# Altium PCB main.PcbDoc (part 2 of 3) (continued)
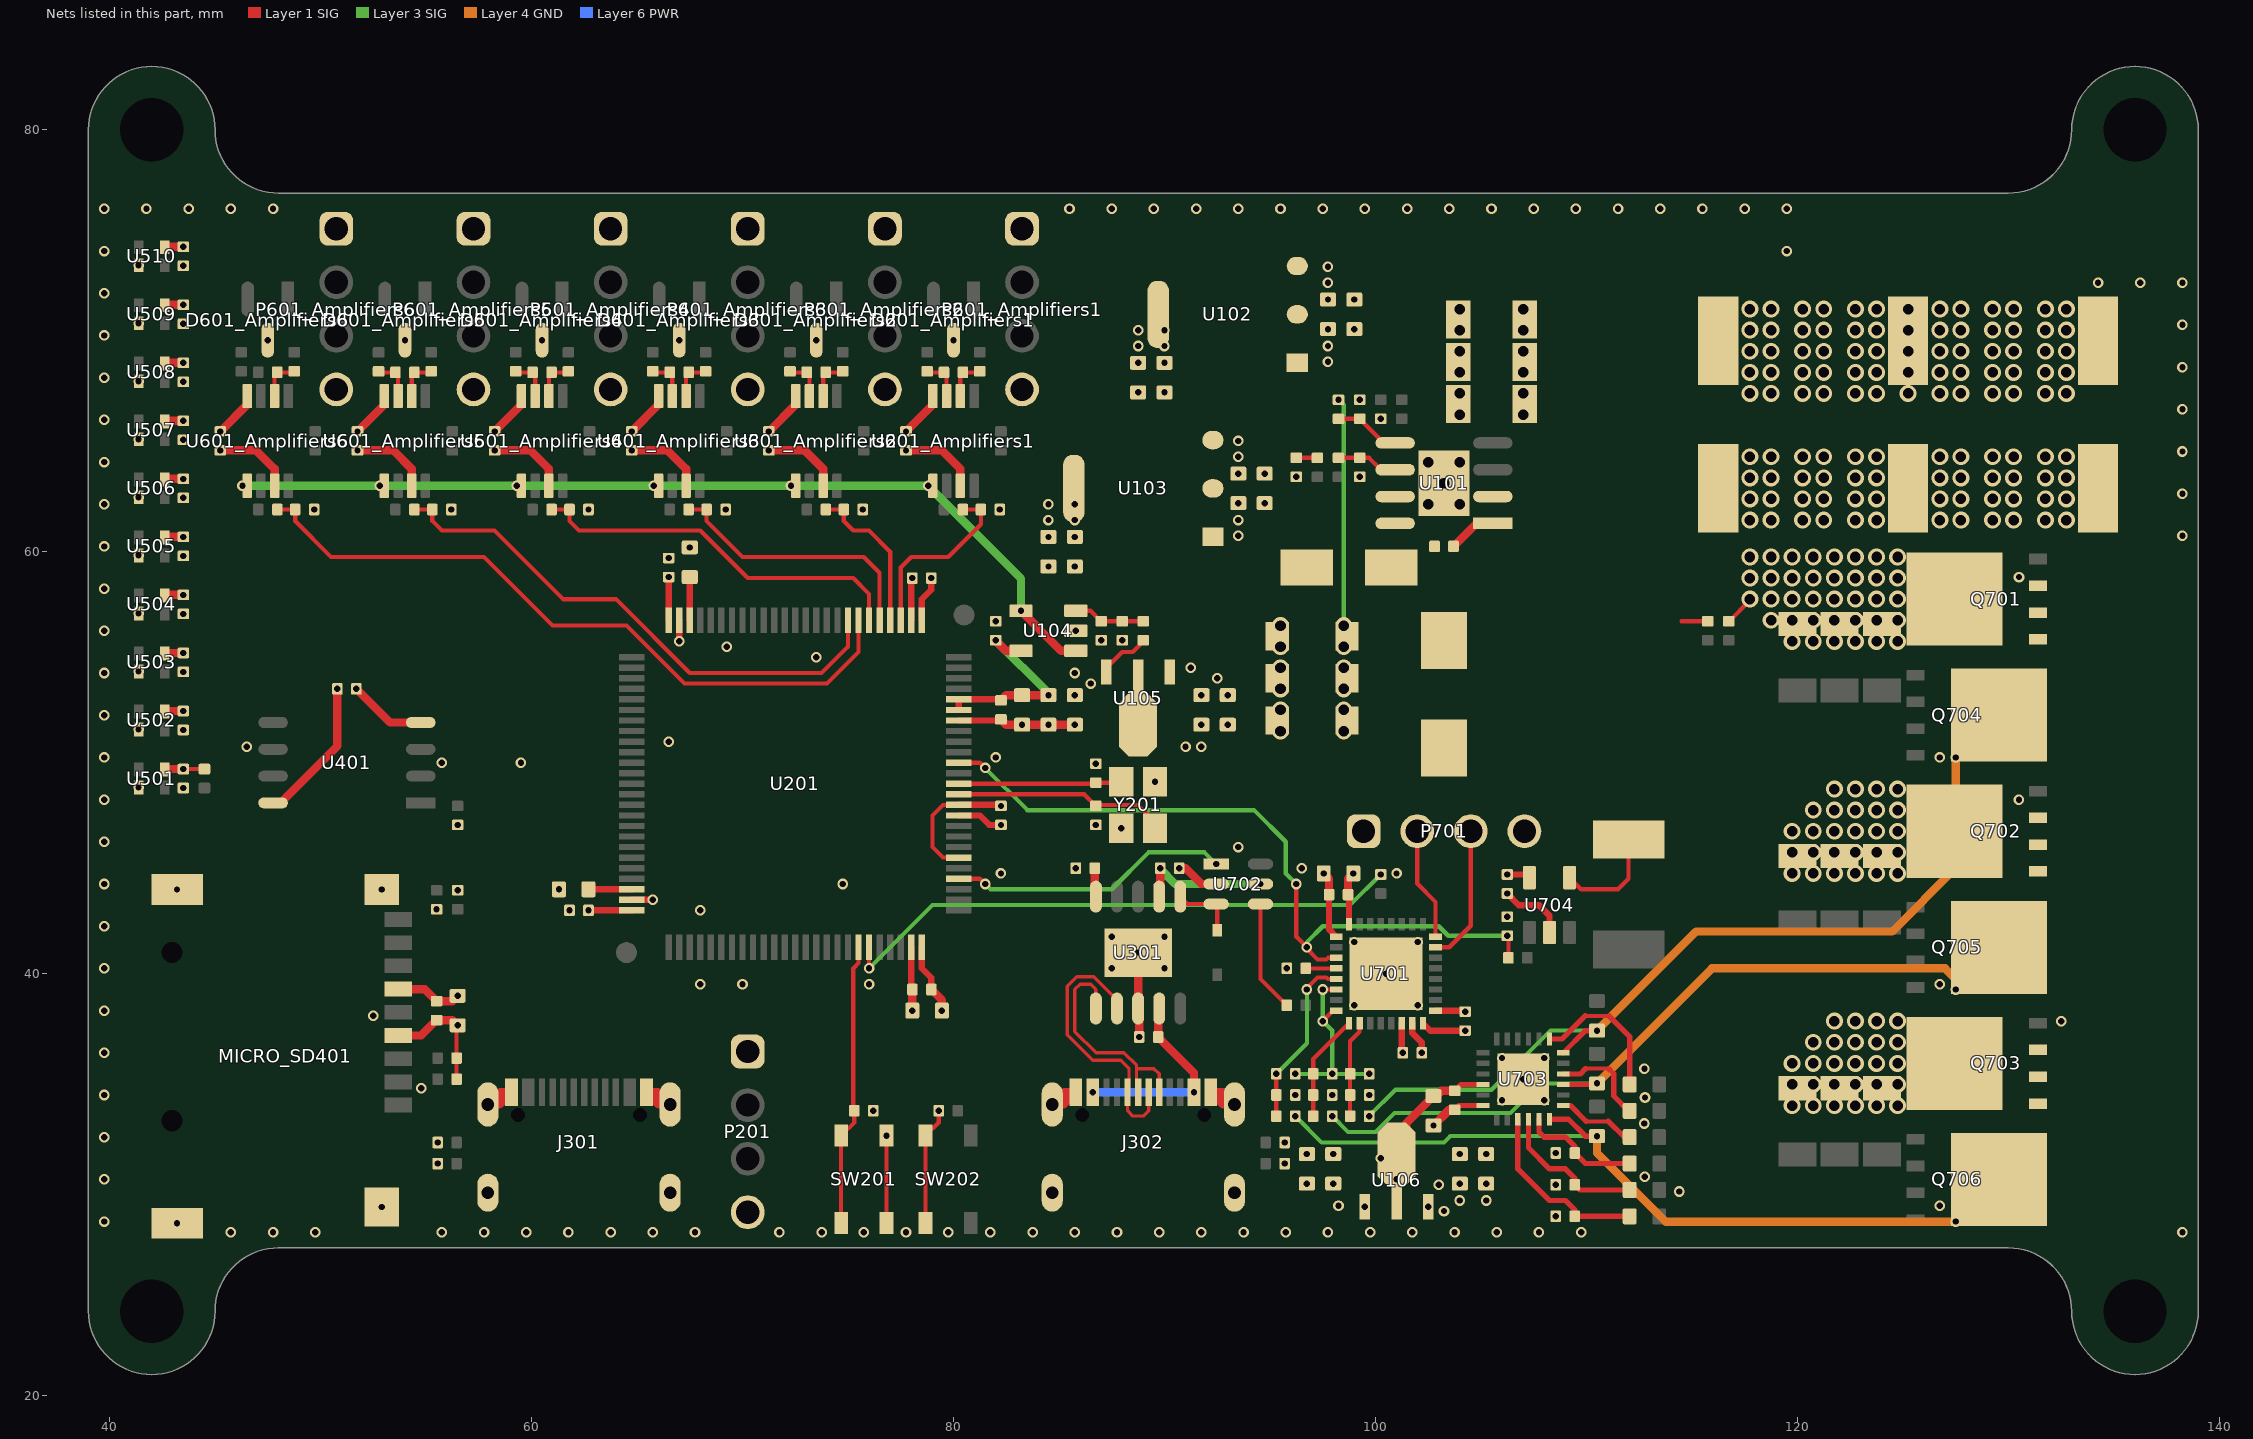
[diagram p6: the nets of this part, all layers, seen from the top]
## Part data (continued)
U703: "No Description Available", Mfr_Name="Texas Instruments", RefDes=RefDes, TYPE=TYPE
U704: library part CMP-04895-000287-1, "IC CURR SENSE 1 CIRCUIT SOT23-5", Case/Package=SOT-23-5, Input Bias Current=100nA, Input Offset Voltage (Vos)=100uV, Max Operating Temperature=125°C, Min Operating Temperature=-40°C, Operating Supply Current=260uA, -3db Bandwidth=350kHz, Mount="Surface Mount", Number of Circuits=1, Packaging="Tape and Reel", RoHS Compliant=Yes, Slew Rate=2V/µs
Y201: library part CMP-36405-000019-1, "CRYSTAL 25.0000MHZ 18PF SMD", Case/Package=SMD/SMT, ESR (Equivalent Series Resistance)=40R, Frequency=25MHz, Frequency Stability=10ppm, Load Capacitance=18pF, Max Operating Temperature=85°C, Min Operating Temperature=-20°C, Depth=2.5mm, Length=3.2mm, Number of Pins=4, Packaging="Tape and Reel"

## Free pads (board coordinates)
  round 1 / inner round 0 / far side round 0 all layers, no hole paste-2539.97 mask+0.25: FID(64.5,41) FID(80.5,57)
  round 0 hole 3 unplated paste-2539.97 mask+0.2: FID5(136,24) FID5(136,80) FID6(42,24) FID6(42,80)

## Via types
v1: diameter 0.5, hole 0.3, Layer 1 SIG to Layer 6 PWR, tented both sides, 388 vias
v2: diameter 0.8, hole 0.5, Layer 1 SIG to Layer 6 PWR, tented both sides, 233 vias

## Nets (pads, with @x,y where several pads share a name; then routed paths per layer and width w, separated by ;. In a path a pad name is that pad's centre, name@x,y a point inside that pad or via, vN(x,y) a via of type N, cw(c..) or ccw(c..) an arc to the next point about the centre after c; other vN are vias at no path point)
"+1.65 REF": U104.1 U104.4 U601_Amplifiers1.5 U601_Amplifiers2.5 U601_Amplifiers3.5 U601_Amplifiers4.5 U601_Amplifiers5.5 U601_Amplifiers6.5 | length 43.6
  Layer 1 SIG w0.4: v1(83.2,57.2) 85.1,55.3 U104.1@85.8,55.3
  Layer 3 SIG w0.4: v1(46.3,63.125) v1(78.8,63.125) 83.2,58.725 v1(83.2,57.2)
  other v1: 52.8,63.125 59.3,63.125 65.8,63.125 72.3,63.125
"+3.3 A": C118.1 C122.1 C123.1 C209.1 C210.1 C601_Amplifiers1.1 C601_Amplifiers2.1 C601_Amplifiers3.1 C601_Amplifiers4.1 C601_Amplifiers5.1 C601_Amplifiers6.1 P601_Amplifiers1.4 P601_Amplifiers2.4 P601_Amplifiers3.4 P601_Amplifiers4.4 P601_Amplifiers5.4 P601_Amplifiers6.4 R107.1 U104.5 U105.3 U201.20 U201.21 U601_Amplifiers1.7 U601_Amplifiers2.7 U601_Amplifiers3.7 U601_Amplifiers4.7 U601_Amplifiers5.7 U601_Amplifiers6.7 | length 34.9
  Layer 1 SIG w0.2: U105.3@87.25,54.3 87.25,54.5 88,55.25 88.5,55.25 89,55.75 R107.1@89,55.8
  Layer 1 SIG w0.3: U201.20@80.25,52.5 U201.21@80.25,53 82.2,53 C210.1@82.25,52.95
  Layer 1 SIG w0.4: v1(45.25,64.8) 46.95,64.8 47.825,63.925 U601_Amplifiers6.7@47.825,63.125 ; v1(51.75,64.8) 53.45,64.8 54.325,63.925 U601_Amplifiers5.7@54.325,63.125 ; v1(58.25,64.8) 59.95,64.8 60.825,63.925 U601_Amplifiers4.7@60.825,63.125 ; v1(64.75,64.8) 66.45,64.8 67.325,63.925 U601_Amplifiers3.7@67.325,63.125 ; v1(71.25,64.8) 72.95,64.8 73.825,63.925 U601_Amplifiers2.7@73.825,63.125 ; v1(77.75,64.8) 79.45,64.8 80.325,63.925 U601_Amplifiers1.7@80.325,63.125 ; v1(82,55.8) 82.5,55.3 U104.5@83.2,55.3 ; C210.1@82.25,52.95 82.5,53.2 C209.1@83.25,53.2 v1(84.5,53.2)
  Layer 3 SIG w0.4: v1(82,55.8) 84.5,53.3 v1(84.5,53.2)
  other v1: 85.75,53.2 86.5,53.75 85.75,54.25
"+3.3 D": C116.1 C117.1 C201.1 C202.1 C203.1 C204.1 C205.1 C206.1 C302.1 C401.1 C402.1 C403.1 MICRO_SD401.4 P201.4 R401.1 R402.1 R403.1 R404.1 R405.1 SW201.1 SW201.2 U103.2 U103.4 U201.6 U201.11 U201.27 U201.50 U201.75 U201.100 U301.7 U401.8 U702.5 | length 39.7
  Layer 1 SIG w0.2: R405.1@56.45,35 R402.1@56.45,36 56.45,37.5 v1(56.5,37.55) ; SW201.2@76.825,28.175 v1(76.825,32.325) ; U201.6@80.25,45.5 79.5,45.5 79,46 79,47.5 79.5,48 U201.11@80.25,48
  Layer 1 SIG w0.3: v1(62.7,43) U201.75@64.75,43 ; U201.50@66.5,56.75 v1(66.5,58.8) ; U201.27@78,56.75 78,58.7 v1(78.05,58.75) ; U201.100@78.5,41.25 78.5,40.25 78.95,39.8 C206.1@78.95,39.25 ; U201.11@80.25,48 82.2,48 v1(82.25,47.95)
  Layer 1 SIG w0.4: U401.8@47.3,48.095 U401.8@47.75,48.095 48.095,48.095 50.8,50.8 v1(50.8,53.5) ; MICRO_SD401.4@53.674,37.07 54.77,37.07 C402.1@55.5,37.8 56.25,37.8 v1(56.5,37.55) ; C206.1@78.95,39.25 79.45,38.75 v1(79.45,38.25) ; U301.7@89.75,43.65 89.8,43.7 v1(89.8,45)
  Layer 3 SIG w0.4: v1(89.8,45) 89.8,44.95 90.5,44.25 v1(94.55,44.25)
  other v1: 55.5,43.05 56.5,43.95 56.5,47.05 84.5,60.7 85.75,60.7 84.5,61.5 85.75,61.5 84.5,62.25 85.75,62.25
"+3.3 ESC": C126.1 C127.1 C701.1 C702.1 C703.1 C704.1 C721.1 P701.4 U106.3 U701.1 U701.15 U701.17 U704.5 | length 7.4
  Layer 1 SIG w0.3: C702.1@97.8,43.75 97.8,42.1 U701.1@98.15,41.75 ; U701.15@101.75,37.65 101.75,37.19 102.2,36.74 v1(102.2,36.25) ; U701.17@102.85,38.25 104.2,38.25 v1(104.25,38.2) ; v1(106.25,44.7) 107.15,44.7 U704.5@107.3,44.55
  Layer 1 SIG w0.4: v1(97.55,44.75) 97.8,44.5 C702.1@97.8,43.75
  other v1: 103.25,28.75 102.5,28.95 104,29.25 105.25,29.25 103,30 104,30.05 105.25,30.05
+5: C112.1 C113.1 C501.1 C502.1 C503.1 C504.1 C505.1 C506.1 C507.1 C508.1 C509.1 C510.1 R501.1 U102.2 U102.4 U501.2 U502.2 U503.2 U504.2 U505.2 U506.2 U507.2 U508.2 U509.2 U510.2 | length 9.9
  Layer 1 SIG w0.2: v1(43.5,49.7) R501.1@44.5,49.7
  Layer 1 SIG w0.4: U501.2@42.625,49.675 42.65,49.7 v1(43.5,49.7) ; U502.2@42.625,52.425 42.65,52.45 C502.1@43.5,52.45 ; U503.2@42.625,55.175 42.65,55.2 v1(43.5,55.2) ; U504.2@42.625,57.925 42.65,57.95 v1(43.5,57.95) ; U505.2@42.625,60.675 42.65,60.7 C505.1@43.5,60.7 ; U506.2@42.625,63.425 42.65,63.45 v1(43.5,63.45) ; U507.2@42.625,66.175 42.65,66.2 v1(43.5,66.2) ; U508.2@42.625,68.925 42.65,68.95 v1(43.5,68.95) ; U509.2@42.625,71.675 42.65,71.7 v1(43.5,71.7) ; U510.2@42.625,74.425 42.65,74.45 v1(43.5,74.45)
  other v1: 43.5,52.45 43.5,60.7 88.75,68.95 90,68.95 88.75,69.75 90,69.75 88.75,70.5 90,70.5
"+5 USB": C301.1 J302.A4B9 J302.B4A9 U301.4 | length 9.5
  Layer 1 SIG w0.4: U301.4@89.75,38.35 89.7,38.3 C301.1@89.7,37 91.4,35.3 v1(91.4,34.379)
  Layer 6 PWR w0.4: v1(86.6,34.379) v1(91.4,34.379)
"+9 BUCK": C105.1 C106.1 C107.1 C110.1 C111.1 C114.1 C115.1 C120.1 C121.1 C124.1 C125.1 C718.1 C719.1 L101.2 R101.1 U102.3 U103.3 U105.2 U106.2 U703.4 | length 16.9
  Layer 1 SIG w0.25: C718.1@102.75,34.2 C718.1@102.88,34.2 ; C719.1@103.75,34.45 104.05,34.75 U703.4@105.1,34.75
  Layer 1 SIG w0.4: U106.2@101,31.45 101.45,31.9 101.45,32.9 C718.1@102.75,34.2 ; C718.1@102.88,34.2 103.13,34.45 C719.1@103.75,34.45
  Layer 3 SIG w0.2: v1(98.25,67.2) 98.5,66.95 v2(98.5,56.5)
  other v1: 101,30.25 100.25,31.25 96.75,31.45 98,31.45 91,50.75 91.75,50.75 91.75,51.8 93,51.8 93.5,63.7 94.75,63.7 93.5,64.5 93.5,65.25 97.75,71.95 99,71.95 97.75,72.75 97.75,73.5
  other v2: 98.5,51.5 98.5,52.5 98.5,53.5 98.5,54.5 98.5,55.5
+BATT: C102.2 C103.2 C104.2 C706.2 C707.2 C708.2 C709.2 C710.2 C711.2 C712.2 C713.2 C714.2 C715.1 C716.1 C717.1 Q701.5-6-7-8 Q702.5-6-7-8 Q703.5-6-7-8 R707.2 U101.2 | length 1.5
  Layer 1 SIG w0.2: R707.2@116.75,56.7 117.75,57.7 v2(117.75,57.75)
  other v2: 119.75,33.75 120.75,33.75 121.75,33.75 122.75,33.75 123.75,33.75 124.75,33.75 119.75,34.75 120.75,34.75 121.75,34.75 122.75,34.75 123.75,34.75 124.75,34.75 119.75,35.75 120.75,35.75 121.75,35.75 122.75,35.75 123.75,35.75 124.75,35.75 120.75,36.75 121.75,36.75 122.75,36.75 123.75,36.75 124.75,36.75 121.75,37.75 122.75,37.75 123.75,37.75 124.75,37.75 119.75,44.75 120.75,44.75 121.75,44.75 122.75,44.75 123.75,44.75 124.75,44.75 119.75,45.75 120.75,45.75 121.75,45.75 122.75,45.75 123.75,45.75 124.75,45.75 119.75,46.75 120.75,46.75 121.75,46.75 122.75,46.75 123.75,46.75 124.75,46.75 120.75,47.75 121.75,47.75 122.75,47.75 123.75,47.75 124.75,47.75 121.75,48.75 122.75,48.75 123.75,48.75 124.75,48.75 119.75,55.75 120.75,55.75 121.75,55.75 122.75,55.75 123.75,55.75 124.75,55.75 118.75,56.75 119.75,56.75 120.75,56.75 121.75,56.75 122.75,56.75 123.75,56.75 124.75,56.75 118.75,57.75 119.75,57.75 120.75,57.75 121.75,57.75 122.75,57.75 123.75,57.75 124.75,57.75 117.75,58.75 118.75,58.75 119.75,58.75 120.75,58.75 121.75,58.75 122.75,58.75 123.75,58.75 124.75,58.75 117.75,59.75 118.75,59.75 119.75,59.75 120.75,59.75 121.75,59.75 122.75,59.75 123.75,59.75 124.75,59.75 117.75,61.5 118.75,61.5 120.25,61.5 121.25,61.5 122.75,61.5 123.75,61.5 126.75,61.5 127.75,61.5 129.25,61.5 130.25,61.5 131.75,61.5 132.75,61.5 117.75,62.5 118.75,62.5 120.25,62.5 121.25,62.5 122.75,62.5 123.75,62.5 126.75,62.5 127.75,62.5 129.25,62.5 130.25,62.5 131.75,62.5 132.75,62.5 117.75,63.5 118.75,63.5 120.25,63.5 121.25,63.5 122.75,63.5 123.75,63.5 126.75,63.5 127.75,63.5 129.25,63.5 130.25,63.5 131.75,63.5 132.75,63.5 117.75,64.5 118.75,64.5 120.25,64.5 121.25,64.5 122.75,64.5 123.75,64.5 126.75,64.5 127.75,64.5 129.25,64.5 130.25,64.5 131.75,64.5 132.75,64.5 107,66.5 107,67.5 107,68.5 107,69.5 107,70.5 107,71.5
AMP_OUT_Amplifiers1: C603_Amplifiers1.1 R603_Amplifiers1.2 U201.28 | length 8.7
  Layer 1 SIG w0.2: U201.28@77.5,56.75 77.5,59.25 78,59.75 79.75,59.75 81.3,61.3 C603_Amplifiers1.1@81.3,62 R603_Amplifiers1.2@80.45,62
AMP_OUT_Amplifiers2: C603_Amplifiers2.1 R603_Amplifiers2.2 U201.29 | length 7.5
  Layer 1 SIG w0.2: R603_Amplifiers2.2@73.95,62 C603_Amplifiers2.1@74.8,62 74.8,61.45 75.25,61 76,61 77,60 U201.29@77,56.75
AMP_OUT_Amplifiers3: C603_Amplifiers3.1 R603_Amplifiers3.2 U201.30 | length 12.9
  Layer 1 SIG w0.2: R603_Amplifiers3.2@67.45,62 C603_Amplifiers3.1@68.3,62 68.3,61.45 70,59.75 75.75,59.75 76.5,59 U201.30@76.5,56.75
AMP_OUT_Amplifiers4: C603_Amplifiers4.1 R603_Amplifiers4.2 U201.31 | length 18.3
  Layer 1 SIG w0.2: R603_Amplifiers4.2@60.95,62 C603_Amplifiers4.1@61.8,62 61.8,61.45 62.25,61 68,61 70.25,58.75 75.25,58.75 76,58 U201.31@76,56.75
AMP_OUT_Amplifiers5: C603_Amplifiers5.1 R603_Amplifiers5.2 U201.33 | length 25.9
  Layer 1 SIG w0.2: R603_Amplifiers5.2@54.45,62 C603_Amplifiers5.1@55.3,62 55.3,61.45 55.75,61 58.25,61 61.5,57.75 64,57.75 67.5,54.25 73.75,54.25 75,55.5 U201.33@75,56.75
AMP_OUT_Amplifiers6: C603_Amplifiers6.1 R603_Amplifiers6.2 U201.32 | length 33.4
  Layer 1 SIG w0.2: R603_Amplifiers6.2@47.95,62 C603_Amplifiers6.1@48.8,62 48.8,61.45 50.5,59.75 57.75,59.75 61,56.5 64.5,56.5 67.25,53.75 74,53.75 75.5,55.25 U201.32@75.5,56.75
BEMF_A: R703.2 R704.1 R713.1 U701.10 | length 4.6
  Layer 1 SIG w0.2: R704.1@98.8,33.25 R713.1@98.8,34.25 R703.2@98.8,35.25 98.8,36.8 99.25,37.25 U701.10@99.25,37.65
BEMF_B: R705.2 R706.1 R712.1 U701.9 | length 5.1
  Layer 1 SIG w0.2: R706.1@97.05,33.25 R712.1@97.05,34.25 R705.2@97.05,35.25 97.05,35.95 U701.9@98.75,37.65
BEMF_C: R708.2 R709.1 R711.1 U701.5 | length 8.3
  Layer 1 SIG w0.2: R709.1@95.3,33.25 R711.1@95.3,34.25 v1(95.3,35.25) ; v1(96.75,39.25) 96.75,39.321 97.252,39.823 97.673,39.823 97.746,39.75 U701.5@98.15,39.75
  Layer 3 SIG w0.2: v1(95.3,35.25) 96.75,36.7 v1(96.75,39.25)
BEMF_COM: R703.1 R705.1 R708.1 U701.6 U701.8 | length 9.2
  Layer 1 SIG w0.2: v1(97.5,37.75) 98,38.25 U701.8@98.15,38.25 ; v1(97.5,39.25) U701.6@98.15,39.25
  Layer 3 SIG w0.2: v1(96.2,35.25) v1(97.95,35.25) ; v1(97.5,39.25) v1(97.5,37.75) 97.95,37.3 v1(97.95,35.25) ; v1(99.7,35.25) v1(97.95,35.25)
BOOT0: R201.1 SW201.3 SW201.4 U201.94 | length 13.5
  Layer 1 SIG w0.2: SW201.4@74.675,28.175 SW201.3@74.675,32.325 75.3,32.95 R201.1@75.3,33.5 75.25,33.55 75.25,40.25 75.5,40.5 U201.94@75.5,41.25
BUCK_COMP: C108.1 R102.1 U101.6 | length 2.9
  Layer 1 SIG w0.2: R102.1@98.25,64.45 C108.1@99.25,64.45 99.703,64.45 100.268,63.885 U101.6@100.934,63.885
BUCK_FB: R101.2 R104.1 U101.5 | length 3.2
  Layer 1 SIG w0.2: R101.2@98.25,66.3 R104.1@99.25,66.3 100.395,65.155 U101.5@100.934,65.155
BUCK_PH: C101.1 D101.1 L101.1 U101.8
ESC_CFG: D301.1 U301.6 U702.3 | length 3.1
  Layer 1 SIG w0.2: U301.6@90.75,43.65 91.1,43.3 U702.3@92.45,43.3 92.5,43.25 D301.1@92.5,42.055
ESC_NRST: C705.1 U701.4 | length 1.5
  Layer 1 SIG w0.2: C705.1@96.7,40.25 U701.4@98.15,40.25
ESC_SIG: U201.4 U702.1 | length 13.4
  Layer 1 SIG w0.2: U201.4@80.25,44.5 81.25,44.5 v1(81.5,44.25)
  Layer 3 SIG w0.2: v1(81.5,44.25) 81.75,44 87.5,44 89.25,45.75 91.9,45.75 v1(92.45,45.2)
ESC_SIG_IN: R702.1 U702.4 | length 5.3
  Layer 1 SIG w0.2: U702.4@94.55,43.3 94.55,39.75 R702.1@95.8,38.5
ESC_SWCLK: P701.2 U701.24 | length 5.4
  Layer 1 SIG w0.2: P701.2@101.98,46.75 101.98,44.27 102.85,43.4 U701.24@102.85,41.75
ESC_SWDIO: P701.3 U701.23 | length 6.6
  Layer 1 SIG w0.2: U701.23@102.85,41.25 103.5,41.25 104.52,42.27 P701.3@104.52,46.75
ESC_TELEM: R701.2 U201.95 | length 27.1
  Layer 1 SIG w0.2: v1(76,40.25) U201.95@76,41.25
  Layer 3 SIG w0.2: v1(76,40.25) 79,43.25 98.8,43.25 v1(100.25,44.7)
GHA: R714.1 U703.19 | length 6.9
  Layer 1 SIG w0.2: 109.94,38 111.065,38
  Layer 1 SIG w0.25: U703.19@108.25,36.9 108.84,36.9 109.94,38 ; 111.065,38 112.05,37.015 R714.1@112.05,34.75
GHB: R715.1 U703.16 | length 4.7
  Layer 1 SIG w0.2: 109.963,35.5 111.05,35.5
  Layer 1 SIG w0.25: U703.16@108.9,35.25 109.713,35.25 109.963,35.5 ; 111.05,35.5 111.295,35.255 111.295,34.205 112,33.5 R715.1@112.05,33.5
GHC: R716.1 U703.13 | length 3.8
  Layer 1 SIG w0.2: 109.993,33 111.041,33
  Layer 1 SIG w0.25: U703.13@108.9,33.75 109.243,33.75 109.993,33 ; 111.041,33 111.791,32.25 R716.1@112.05,32.25
GLA: R717.1 R720.1 U703.11 | length 5.7
  Layer 1 SIG w0.25: U703.11@107.75,33.1 107.75,32.75 107.75,32.5 108,32.25 109,32.25 109.45,31.8 R720.1@109.45,31.5 109.95,31 R717.1@112.05,31
GLB: R718.1 R721.1 U703.10 | length 7.2
  Layer 1 SIG w0.25: U703.10@107.25,33.1 107.25,31.75 108.25,30.75 109,30.75 109.45,30.3 R721.1@109.45,30 109.7,29.75 R718.1@112.05,29.75
GLC: R719.1 R722.1 U703.9 | length 8.8
  Layer 1 SIG w0.25: U703.9@106.75,33.1 106.75,30.75 108.25,29.25 109,29.25 109.45,28.8 R722.1@109.45,28.5 R719.1@112.05,28.5
GND: C102.1 C103.1 C104.1 C105.2 C106.2 C107.2 C108.2 C109.2 C110.2 C111.2 C112.2 C113.2 C114.2 C115.2 C116.2 C117.2 C118.2 C119.2 C120.2 C121.2 C122.2 C123.2 C124.2 C125.2 C126.2 C127.2 C201.2 C202.2 C203.2 C204.2 C205.2 C206.2 C207.2 C208.2 C209.2 C210.2 C211.2 C212.2 C213.2 C301.2 C302.2 C303.2 C401.2 C402.2 C403.2 C501.2 C502.2 C503.2 C504.2 C505.2 C506.2 C507.2 C508.2 C509.2 C510.2 C601_Amplifiers1.2 C601_Amplifiers2.2 C601_Amplifiers3.2 C601_Amplifiers4.2 C601_Amplifiers5.2 C601_Amplifiers6.2 C603_Amplifiers1.2 C603_Amplifiers2.2 C603_Amplifiers3.2 C603_Amplifiers4.2 C603_Amplifiers5.2 C603_Amplifiers6.2 C701.2 C702.2 C703.2 C704.2 C705.2 C715.2 C716.2 C717.2 C718.2 C719.2 C721.2 C724.2 D101.2 D601_Amplifiers1.3 D601_Amplifiers2.3 D601_Amplifiers3.3 D601_Amplifiers4.3 D601_Amplifiers5.3 D601_Amplifiers6.3 J301.1 J301.2 J301.3 J301.4 J301.A1B12 J301.B1A12 J302.1 J302.2 J302.3 J302.4 J302.A1B12 J302.B1A12 MICRO_SD401.6 MICRO_SD401.MP1 MICRO_SD401.MP2 MICRO_SD401.MP3 MICRO_SD401.MP4 P201.1 P601_Amplifiers1.1 P601_Amplifiers2.1 P601_Amplifiers3.1 P601_Amplifiers4.1 P601_Amplifiers5.1 P601_Amplifiers6.1 P701.1 R104.2 R106.1 R108.2 R201.2 R301.2 R302.2 R303.2 R304.2 R710.2 R711.2 R712.2 R713.2 R720.2 R721.2 R722.2 R724.2 SW202.3 SW202.4 U101.7 U101.9 U102.1 U103.1 U104.2 U105.1 U106.1 U201.10 U201.19 U201.26 U201.49 U201.74 U201.99 U301.3 U301.11 U401.4 U501.3 U502.3 U503.3 U504.3 U505.3 U506.3 U507.3 U508.3 U509.3 U510.3 U601_Amplifiers1.4 U601_Amplifiers2.4 U601_Amplifiers3.4 U601_Amplifiers4.4 U601_Amplifiers5.4 U601_Amplifiers6.4 U701.14 U701.16 U701.32 U701.33 U702.2 U703.6 U703.25 U704.2 U704.4 Y201.2 Y201.4 | length 76.5
  Layer 1 SIG w0.2: SW202.4@78.675,28.175 SW202.3@78.675,32.325 79.3,32.95 v1(79.3,33.5) ; U704.4@109.2,44.55 109.75,44 111.5,44 112,44.5 R724.2@112,46.35 ; 114.5,56.7 R710.2@115.75,56.7
  Layer 1 SIG w0.25: C719.2@103.75,33.55 103.95,33.75 U703.6@105.1,33.75
  Layer 1 SIG w0.3: U201.74@64.75,43.5 v1(65.75,43.5) ; v1(67,55.75) U201.49@67,56.75 ; U201.99@78,41.25 78,39.3 C206.2@78.05,39.25 ; U201.26@78.5,56.75 78.5,57.75 78.95,58.2 v1(78.95,58.75) ; U201.10@80.25,47.5 81.25,47.5 81.7,47.05 v1(82.25,47.05) ; U201.19@80.25,52 82.2,52 C210.2@82.25,52.05 ; C702.2@98.7,43.75 98.75,43.7 U701.32@98.75,42.35 ; U701.14@101.25,37.65 101.25,36.3 v1(101.3,36.25) ; U701.16@102.25,37.65 102.6,37.3 v1(104.25,37.3) ; v1(106.25,43.8) 106.8,43.25 107.75,43.25 108.25,42.75 U704.2@108.25,41.95
  Layer 1 SIG w0.4: v1(45.25,65.7) 46.525,66.975 U601_Amplifiers6.4@46.525,67.375 ; v1(51.7,53.5) 53.295,51.905 U401.4@55.2,51.905 ; v1(51.75,65.7) 53.025,66.975 U601_Amplifiers5.4@53.025,67.375 ; MICRO_SD401.6@53.674,39.27 54.93,39.27 C402.2@55.5,38.7 56.25,38.7 v1(56.5,38.95) ; v1(58.25,65.7) 59.525,66.975 U601_Amplifiers4.4@59.525,67.375 ; v1(64.75,65.7) 66.025,66.975 U601_Amplifiers3.4@66.025,67.375 ; v1(71.25,65.7) 72.525,66.975 U601_Amplifiers2.4@72.525,67.375 ; v1(77.75,65.7) 79.025,66.975 U601_Amplifiers1.4@79.025,67.375 ; v1(78.05,38.25) C206.2@78.05,39.25 ; C210.2@82.25,52.05 82.5,51.8 v1(83.25,51.8) v1(84.5,51.8) v1(85.75,51.8) ; v1(88.75,41) U301.3@88.75,38.35 88.8,38.3 v1(88.8,37) ; v1(90.7,45) 91,45 91.75,44.25 U702.2@92.45,44.25 ; C702.2@98.7,43.75 98.7,44.5 v1(98.95,44.75) ; v1(102.75,32.8) 103.5,33.55 C719.2@103.75,33.55 ; J301.1@57.93,33.801 58.472,33.801 J301.A1B12@59.05,34.379 58.508,34.379 J301.1@57.93,33.801 ; J301.B1A12@65.45,34.379 65.992,34.379 J301.2@66.57,33.801 66.028,33.801 J301.B1A12@65.45,34.379 ; J302.1@84.68,33.801 85.222,33.801 J302.A1B12@85.8,34.379 85.258,34.379 J302.1@84.68,33.801 ; J302.B1A12@92.2,34.379 92.778,33.801 J302.2@93.32,33.801 92.742,34.379 J302.B1A12@92.2,34.379
  other v1: 45.75,27.75 47.75,27.75 49.75,27.75 55.75,27.75 57.75,27.75 59.75,27.75 61.75,27.75 63.75,27.75 65.75,27.75 67.75,27.75 71.75,27.75 73.75,27.75 75.75,27.75 77.75,27.75 79.75,27.75 81.75,27.75 83.75,27.75 85.75,27.75 87.75,27.75 89.75,27.75 91.75,27.75 93.75,27.75 95.75,27.75 97.75,27.75 99.75,27.75 101.75,27.75 103.75,27.75 105.75,27.75 107.75,27.75 109.75,27.75 138.25,27.75 43.2,28.164 39.75,28.25 108.55,28.5 52.9,28.939 99.5,28.95 98.25,29 126.75,29 114.395,29.677 108.55,30 96.75,30.05 98,30.05 39.75,30.25 112.762,30.373 55.55,31 95.7,31 104,31.45 105.25,31.45 108.55,31.5 55.55,32 95.7,32 39.75,32.25 112.747,32.9 76.2,33.5 106,34 108,34 112.776,34.131 39.75,34.25 96.2,34.25 97.95,34.25 99.7,34.25 54.781,34.573 107,35 112.75,35.5 106,36 108,36 39.75,36.25 132.5,37.75 52.5,38 39.75,38.25 99,38.5 102,38.5 68,39.5 70,39.5 76,39.5 126.75,39.5 100.5,40 39.75,40.25 87.5,40.25 90,40.25 95.8,40.25 99,41.5 102,41.5 87.5,41.75 90,41.75 39.75,42.25 106.25,42.7 61.8,43 68,43 43.2,43.989 52.9,43.989 61.3,44 39.75,44.25 74.75,44.25 82.25,44.75 101,44.75 85.8,45 96.5,45 93.5,46 39.75,46.25 87.95,46.9 86.75,47.05 39.75,48.25 130.5,48.25 43.5,48.8 41.375,48.825 89.55,49.1 86.75,49.95 55.75,50 59.5,50 39.75,50.25 82,50.25 126.75,50.25 46.5,50.75 66.5,51 43.5,51.55 41.375,51.575 39.75,52.25 91.75,53.2 93,53.2 92.5,54 39.75,54.25 43.5,54.3 41.375,54.325 91.25,54.5 73.5,55 69.25,55.5 87,55.8 88,55.8 39.75,56.25 85.8,56.25 82,56.7 43.5,57.05 41.375,57.075 39.75,58.25 130.502,58.8 84.5,59.3 85.75,59.3 66.5,59.7 43.5,59.8 41.375,59.825 67.5,60.2 39.75,60.25 93.5,60.75 138.25,60.75 93.5,61.5 49.7,62 56.2,62 62.7,62 69.2,62 75.7,62 82.2,62 39.75,62.25 93.5,62.3 94.75,62.3 43.5,62.55 41.375,62.575 138.25,62.75 96.25,63.55 99.25,63.55 39.75,64.25 138.25,64.75 43.5,65.3 41.375,65.325 39.75,66.25 100.25,66.3 138.25,66.75 99.25,67.2 88.75,67.55 90,67.55 43.5,68.05 41.375,68.075 39.75,68.25 138.25,68.75 97.75,69 97.75,69.75 47.5,70.025 54,70.025 60.5,70.025 67,70.025 73.5,70.025 80,70.025 39.75,70.25 97.75,70.55 99,70.55 138.25,70.75 43.5,70.8 41.375,70.825 39.75,72.25 134.25,72.75 136.25,72.75 138.25,72.75 43.5,73.55 41.375,73.575 39.75,74.25 119.5,74.25 39.75,76.25 41.75,76.25 43.75,76.25 45.75,76.25 47.75,76.25 85.5,76.25 87.5,76.25 89.5,76.25 91.5,76.25 93.5,76.25 95.5,76.25 97.5,76.25 99.5,76.25 101.5,76.25 103.5,76.25 105.5,76.25 107.5,76.25 109.5,76.25 111.5,76.25 113.5,76.25 115.5,76.25 117.5,76.25 119.5,76.25
  other v2: 95.5,51.5 95.5,52.5 95.5,53.5 95.5,54.5 95.5,55.5 95.5,56.5 102.5,62.25 104,62.25 103.25,63.25 102.5,64.25 104,64.25 104,66.5 104,67.5 117.75,67.5 118.75,67.5 120.25,67.5 121.25,67.5 122.75,67.5 123.75,67.5 125.25,67.5 126.75,67.5 127.75,67.5 129.25,67.5 130.25,67.5 131.75,67.5 132.75,67.5 104,68.5 117.75,68.5 118.75,68.5 120.25,68.5 121.25,68.5 122.75,68.5 123.75,68.5 125.25,68.5 126.75,68.5 127.75,68.5 129.25,68.5 130.25,68.5 131.75,68.5 132.75,68.5 104,69.5 117.75,69.5 118.75,69.5 120.25,69.5 121.25,69.5 122.75,69.5 123.75,69.5 125.25,69.5 126.75,69.5 127.75,69.5 129.25,69.5 130.25,69.5 131.75,69.5 132.75,69.5 104,70.5 117.75,70.5 118.75,70.5 120.25,70.5 121.25,70.5 122.75,70.5 123.75,70.5 125.25,70.5 126.75,70.5 127.75,70.5 129.25,70.5 130.25,70.5 131.75,70.5 132.75,70.5 104,71.5 117.75,71.5 118.75,71.5 120.25,71.5 121.25,71.5 122.75,71.5 123.75,71.5 125.25,71.5 126.75,71.5 127.75,71.5 129.25,71.5 130.25,71.5 131.75,71.5 132.75,71.5
HSE_IN: C211.1 U201.12 Y201.1 | length 10.2
  Layer 1 SIG w0.2: U201.12@80.25,48.5 86.2,48.5 C211.1@86.75,47.95 86.8,48 88.75,48 89.55,47.2 Y201.1@89.55,46.9
HSE_OUT: C212.1 U201.13 Y201.3 | length 7.7
  Layer 1 SIG w0.2: U201.13@80.25,49 86.7,49 C212.1@86.75,49.05 87.9,49.05 Y201.3@87.95,49.1
I_SENSE: C724.1 R723.2 U201.15 U701.3 | length 35.5
  Layer 1 SIG w0.2: U201.15@80.25,50 81.25,50 v1(81.5,49.75) ; v1(96.25,44.25) 96.25,41.75 v1(96.75,41.25) 96.75,41.18 97.252,40.677 97.673,40.677 97.746,40.75 U701.3@98.15,40.75 ; v1(106.25,41.8) 106.3,41.75 R723.2@106.3,40.75
  Layer 3 SIG w0.2: v1(81.5,49.75) 83.5,47.75 94.25,47.75 95.75,46.25 95.75,44.75 v1(96.25,44.25) ; v1(96.75,41.25) 96.75,41.5 97.5,42.25 103,42.25 103.45,41.8 v1(106.25,41.8)
MCU_UART_D_N: J302.A7 J302.B7 U301.2 | length 13.4
  Layer 1 SIG w0.158: U301.2@87.75,38.35 87.75,38.756 86.648,39.858 85.852,39.858 85.393,39.398 85.393,37.108 86.608,35.893 87.929,35.893 88.321,35.5 88.321,34.45 J302.B7@88.25,34.379 88.25,33.5 88.5,33.25 89,33.25 89.25,33.5 J302.A7@89.25,34.379
MCU_UART_D_P: J302.A6 J302.B6 U301.1 | length 11
  Layer 1 SIG w0.158: U301.1@86.75,38.35 86.75,39.25 86.5,39.5 86,39.5 85.75,39.25 85.75,37.256 86.756,36.25 88.077,36.25 88.679,35.648 88.679,35.5 ; J302.A6@88.75,34.379 88.679,34.45 88.679,35.5 ; J302.B6@89.75,34.379 89.75,35.25 89.5,35.5 88.679,35.5
MOT_A: C720.2 Q701.1 Q701.2 Q701.3 Q704.5-6-7-8 R704.2 U703.18 | length 40
  Layer 1 SIG w0.25: U703.18@108.9,36.25 109.95,37.3 v1(110.5,37.3)
  Layer 3 SIG w0.2: v1(99.7,33.25) 100.95,34.5 105.5,34.5 108.3,37.3 v1(110.5,37.3)
  Layer 4 GND w0.4: v1(110.5,37.3) 115.2,42 124.5,42 127.5,45 v1(127.5,50.25)
MOT_B: C722.2 Q702.1 Q702.2 Q702.3 Q705.5-6-7-8 R706.2 U703.15 | length 35.4
  Layer 1 SIG w0.25: U703.15@108.9,34.75 110.45,34.75 v1(110.5,34.8)
  Layer 3 SIG w0.2: v1(97.95,33.25) 98.7,32.5 100,32.5 100.903,33.403 106.403,33.403 107.8,34.8 v1(110.5,34.8)
  Layer 4 GND w0.4: v1(110.5,34.8) 115.95,40.25 127,40.25 127.5,39.75 v1(127.5,39.25)
MOT_C: C723.2 Q703.1 Q703.2 Q703.3 Q706.5-6-7-8 R709.2 U703.12 | length 36.7
  Layer 1 SIG w0.25: U703.12@108.25,33.1 109.15,33.1 109.95,32.3 v1(110.5,32.3)
  Layer 3 SIG w0.2: v1(96.2,33.25) 97.45,32 103.25,32 103.55,32.3 v1(110.5,32.3)
  Layer 4 GND w0.4: v1(110.5,32.3) 110.5,31.5 113.75,28.25 v1(127.5,28.25)
NetC101_2: C101.2 U101.1 | length 2.3
  Layer 1 SIG w0.4: C101.2@103.7,60.25 104.795,61.345 U101.1@105.566,61.345
NetC109_1: C109.1 R105.2 | length 1
  Layer 1 SIG w0.2: C109.1@96.25,64.45 R105.2@97.25,64.45
NetC119_1: C119.1 R107.2 R108.1 U104.3 | length 3.4
  Layer 1 SIG w0.2: U104.3@85.8,57.2 86.5,57.2 C119.1@87,56.7 R108.1@88,56.7 R107.2@89,56.7
NetC207_1: C207.1 U201.73 | length 2
  Layer 1 SIG w0.3: C207.1@62.7,44 U201.73@64.75,44
NetC208_1: C208.1 U201.48 | length 2
  Layer 1 SIG w0.3: U201.48@67.5,56.75 C208.1@67.5,58.8
NetC303_1: C303.1 U301.10 | length 1.4
  Layer 1 SIG w0.4: C303.1@86.7,45 86.7,43.7 U301.10@86.75,43.65
NetC602_Amplifiers1_1: C602_Amplifiers1.1 R602_Amplifiers1.2 U601_Amplifiers1.2 | length 2
  Layer 1 SIG w0.2: U601_Amplifiers1.2@80.325,67.375 80.325,68.375 C602_Amplifiers1.1@80.45,68.5 81.2,68.5 R602_Amplifiers1.2@81.25,68.55
NetC602_Amplifiers1_2: C602_Amplifiers1.2 R604_Amplifiers1.2 U601_Amplifiers1.3 | length 2
  Layer 1 SIG w0.2: R604_Amplifiers1.2@78.75,68.55 78.8,68.5 C602_Amplifiers1.2@79.55,68.5 79.675,68.375 U601_Amplifiers1.3@79.675,67.375
NetC602_Amplifiers2_1: C602_Amplifiers2.1 R602_Amplifiers2.2 U601_Amplifiers2.2 | length 2
  Layer 1 SIG w0.2: U601_Amplifiers2.2@73.825,67.375 73.825,68.375 C602_Amplifiers2.1@73.95,68.5 74.7,68.5 R602_Amplifiers2.2@74.75,68.55
NetC602_Amplifiers2_2: C602_Amplifiers2.2 R604_Amplifiers2.2 U601_Amplifiers2.3 | length 2
  Layer 1 SIG w0.2: R604_Amplifiers2.2@72.25,68.55 72.3,68.5 C602_Amplifiers2.2@73.05,68.5 73.175,68.375 U601_Amplifiers2.3@73.175,67.375
NetC602_Amplifiers3_1: C602_Amplifiers3.1 R602_Amplifiers3.2 U601_Amplifiers3.2 | length 2
  Layer 1 SIG w0.2: U601_Amplifiers3.2@67.325,67.375 67.325,68.375 C602_Amplifiers3.1@67.45,68.5 68.2,68.5 R602_Amplifiers3.2@68.25,68.55
NetC602_Amplifiers3_2: C602_Amplifiers3.2 R604_Amplifiers3.2 U601_Amplifiers3.3 | length 2
  Layer 1 SIG w0.2: R604_Amplifiers3.2@65.75,68.55 65.8,68.5 C602_Amplifiers3.2@66.55,68.5 66.675,68.375 U601_Amplifiers3.3@66.675,67.375
NetC602_Amplifiers4_1: C602_Amplifiers4.1 R602_Amplifiers4.2 U601_Amplifiers4.2 | length 2
  Layer 1 SIG w0.2: U601_Amplifiers4.2@60.825,67.375 60.825,68.375 C602_Amplifiers4.1@60.95,68.5 61.7,68.5 R602_Amplifiers4.2@61.75,68.55
NetC602_Amplifiers4_2: C602_Amplifiers4.2 R604_Amplifiers4.2 U601_Amplifiers4.3 | length 2
  Layer 1 SIG w0.2: R604_Amplifiers4.2@59.25,68.55 59.3,68.5 C602_Amplifiers4.2@60.05,68.5 60.175,68.375 U601_Amplifiers4.3@60.175,67.375
NetC602_Amplifiers5_1: C602_Amplifiers5.1 R602_Amplifiers5.2 U601_Amplifiers5.2 | length 2
  Layer 1 SIG w0.2: U601_Amplifiers5.2@54.325,67.375 54.325,68.375 C602_Amplifiers5.1@54.45,68.5 55.2,68.5 R602_Amplifiers5.2@55.25,68.55
NetC602_Amplifiers5_2: C602_Amplifiers5.2 R604_Amplifiers5.2 U601_Amplifiers5.3 | length 2
  Layer 1 SIG w0.2: R604_Amplifiers5.2@52.75,68.55 52.8,68.5 C602_Amplifiers5.2@53.55,68.5 53.675,68.375 U601_Amplifiers5.3@53.675,67.375
NetC602_Amplifiers6_1: C602_Amplifiers6.1 R602_Amplifiers6.2 U601_Amplifiers6.2 | length 2
  Layer 1 SIG w0.2: U601_Amplifiers6.2@47.825,67.375 47.825,68.375 C602_Amplifiers6.1@47.95,68.5 48.7,68.5 R602_Amplifiers6.2@48.75,68.55